# KiCad board LV08.kicad_pcb (continued)
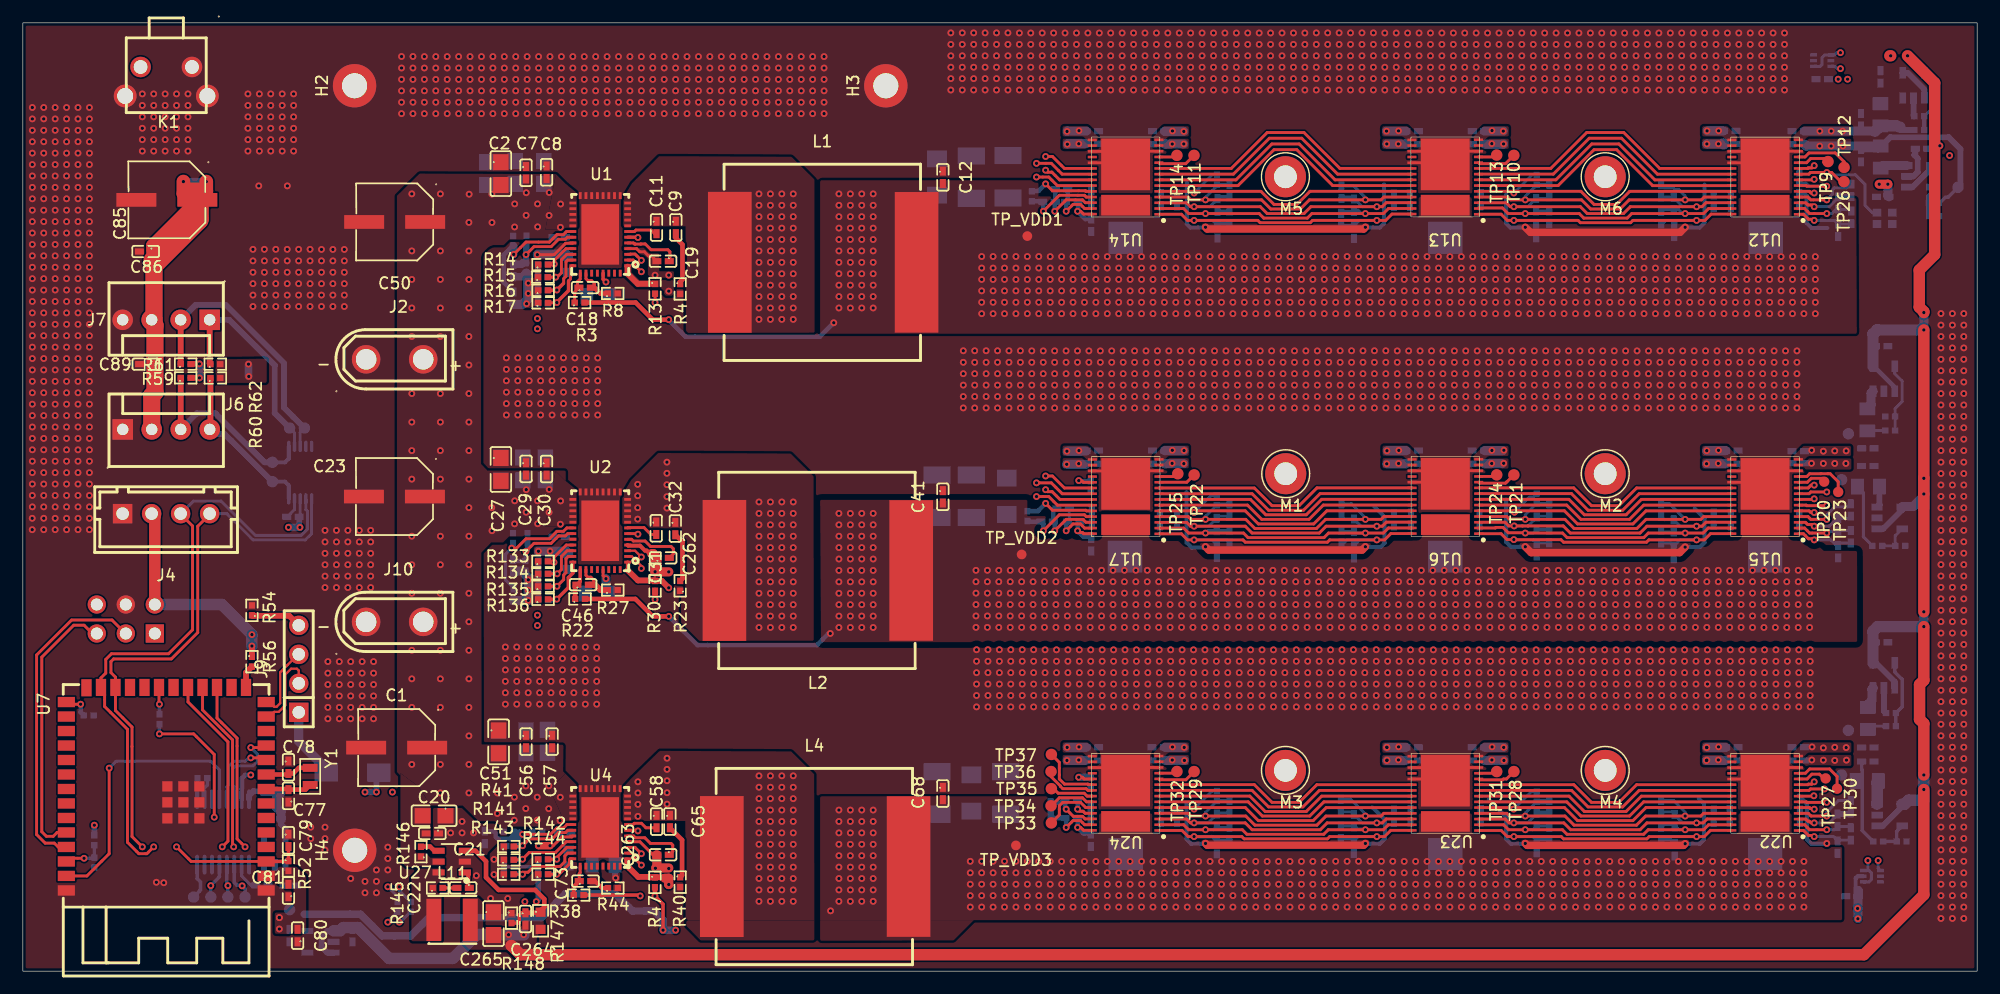
[diagram p0: board, top side]
## Library data of the parts
0V8 0V8_2 0V8_3 1V8 1V8_2 1V8_3 H2-H4 M1-M4 TP1-TP14 TP20-TP37 TP_1V8_IO1 TP_3V3 TP_5V0 TP_12V1 TP_VDD1-TP_VDD3 = -: Description: test point; ki_fp_filters: Pin* Test*
C1 C23 C50 C85 = -: Datasheet: https://img.jlc.com/pdf/applyPasteComponent/2021-05-29/507681S/b3196547ade04cd291a1b09ea1ee2ece/C7199_22UF.PDF; LCSC: C3342
C2-C5 C20 C24-C27 C51-C54 C265 = -: Datasheet: https://item.szlcsc.com/373011.html; LCSC: C45783
C6 C10 C19 C28 C33 C48 C49 C56 C66 C74 C75 C79 C91-C162 C173-C175 C199-C201 C208-C243 C249-C251 C262 C263 = -: Datasheet: https://item.szlcsc.com/15869.html; LCSC: C52923
C7 C29 C55 = -: Datasheet: https://item.szlcsc.com/15869.html; LCSC: C1538
C8 C12 C30 C41 C57 C68 = -: Datasheet: https://item.szlcsc.com/15869.html; LCSC: C1531
C9 C32 C65 = -: Datasheet: https://item.szlcsc.com/15869.html; LCSC: C1523
C11 C17 C21 C22 C31 C40 C58 C67 C80 C82-C84 C86 C87 C89 C90 C163 C169-C171 C196-C198 C246-C248 = -: Datasheet: https://item.szlcsc.com/15869.html; LCSC: C307331
C13 C42 C69 = -: Datasheet: https://item.szlcsc.com/89171.html; LCSC: C96123
C14 C15 C43 C44 C70 C71 = -: Datasheet: https://img.jlc.com/pdf/applyPasteComponent/2021-05-29/507681S/b3196547ade04cd291a1b09ea1ee2ece/C7199_22UF.PDF; LCSC: C7196
C16 C45 C72 = -: Datasheet: https://item.szlcsc.com/362304.html; LCSC: C19666
C18 C46 C73 = -: Datasheet: https://item.szlcsc.com/15869.html; LCSC: C1546
C77 C78 = -: Datasheet: https://item.szlcsc.com/15869.html; LCSC: C1576
C81 C164-C167 C177-C179 C192-C195 C202-C204 C244 C245 C252-C254 C258 C259 = -: Datasheet: https://item.szlcsc.com/15869.html; LCSC: C15525
C180-C182 C205-C207 C255-C257 = -: Datasheet: https://atta.szlcsc.com/upload/public/pdf/source/20210427/369E0E2B82AAAC68C140254C20AD9476.pdf; LCSC: C7226
C264 = -: Datasheet: https://item.szlcsc.com/15869.html; LCSC: C1562
D1 = -: Datasheet: https://atta.szlcsc.com/upload/public/pdf/source/20180925/C305250_744E97387176461AC9CE2FE60F97B97E.pdf; LCSC: C7420364
J2 J10 = -: Datasheet: https://item.szlcsc.com/423831.html; LCSC: C428721
J3 = -: Datasheet: https://item.szlcsc.com/225801.html; LCSC: C225518
J4 = -: Datasheet: https://atta.szlcsc.com/upload/public/pdf/source/20180319/1BDBE0A1D3E09F819A9E3600059072E6.pdf; LCSC: C161871
J6 J7 = -: Datasheet: https://item.szlcsc.com/115362.html; LCSC: C114123
J9 = -: Datasheet: https://item.szlcsc.com/502959.html; LCSC: C5346656
K1 = -: Datasheet: https://item.szlcsc.com/138963.html; LCSC: C127680
L1 L2 L4 = -: Datasheet: https://item.szlcsc.com/403952.html; Description: Inductor; LCSC: C5656947; Mouser P/N: 70-IHLP6767DZERR68M0; ki_fp_filters: Choke_* *Coil* Inductor_* L_*
L5-L10 = -: Datasheet: https://item.szlcsc.com/344132.html; LCSC: C1043
L11 = -: Datasheet: https://atta.szlcsc.com/upload/public/pdf/source/20180820/C222882_47EFAB32F5592A73451FD917F7BB3162.pdf; LCSC: C15269
M5 M6 = -: Description: test point
R1 R20 R36 = -: Datasheet: https://item.szlcsc.com/323315.html; LCSC: C25077
R2 R21 R37 = -: Datasheet: https://item.szlcsc.com/323315.html; LCSC: C25853
R3 R5 R22 R24 R38 R41 = -: Datasheet: https://item.szlcsc.com/323315.html; LCSC: C226849
R4 R23 R40 R145 = -: Datasheet: https://item.szlcsc.com/323315.html; LCSC: C25086
R6 R9 R129 R131 R137 R139 = -: Description: Resistor; ki_fp_filters: R_*
R7 R130 R138 = -: Datasheet: https://item.szlcsc.com/323315.html; LCSC: C26981
R8 R27 R44 = -: Datasheet: https://item.szlcsc.com/323315.html; LCSC: C25120
R10 R17 R132 R136 R140 R144 = -: Datasheet: https://item.szlcsc.com/323315.html; LCSC: C95598
R11 R12 R14 R16 R18 R56 R133 R135 R141 R143 R149 = -: Datasheet: https://item.szlcsc.com/323315.html; LCSC: C17168
R13 R30 R47 R52 R60 R62 R69 = -: Datasheet: https://item.szlcsc.com/323315.html; LCSC: C25744
R15 R134 R142 = -: Datasheet: https://item.szlcsc.com/323315.html; LCSC: C11463
R19 R98 R99 = -: Datasheet: https://item.szlcsc.com/142685.html; LCSC: C17477
R54 = -: Datasheet: https://item.szlcsc.com/323315.html; LCSC: C25905
R55 = -: Datasheet: https://item.szlcsc.com/323315.html; LCSC: C11520
R57 = -: Datasheet: https://item.szlcsc.com/323315.html; LCSC: C43473
R58 = -: Datasheet: https://item.szlcsc.com/323315.html; LCSC: C25765
R59 R61 = -: Datasheet: https://item.szlcsc.com/323315.html; LCSC: C25908
R76-R78 R91 R92 R100 R117 R118 = -: Datasheet: https://item.szlcsc.com/323315.html; LCSC: C4109
R94 R101 R121 = -: Datasheet: https://item.szlcsc.com/323315.html; LCSC: C25764
R95 R96 R102 R103 R122 R123 R146 = -: Datasheet: https://item.szlcsc.com/323315.html; LCSC: C25741
R97 R104 R124 = -: Datasheet: https://item.szlcsc.com/323315.html; LCSC: C25774
R119 R150 = -: Datasheet: https://item.szlcsc.com/323315.html; LCSC: C25105
R147 = -: Datasheet: https://www.mouser.in/datasheet/2/447/PYu_RT_1_to_0_01_RoHS_L_11-1669912.pdf; LCSC: C12447
R148 = -: Datasheet: https://item.szlcsc.com/323315.html; LCSC: C11628
U1 U2 U4 = -: Datasheet: https://item.szlcsc.com/520847.html?ref=editor&logined=true; LCSC: C507280
U3 = -: Datasheet: https://item.szlcsc.com/233411.html; LCSC: C841192
U6 = -: Datasheet: https://atta.szlcsc.com/upload/public/pdf/source/20210531/C603837_95C63835E17AABC553E6F15B46C5DC54.pdf; LCSC: C3040643
U7 = -: Datasheet: https://www.mouser.cn/datasheet/2/891/Espressif_ESP32_S3_WROOM_1_1U_Preliminary-2530171.pdf; LCSC: C2913202
U8 = -: Datasheet: https://item.szlcsc.com/6534.html; LCSC: C129363
U9 = -: Datasheet: https://item.szlcsc.com/703621.html; LCSC: C626969
U10 U11 = -: Datasheet: https://item.szlcsc.com/188416.html; LCSC: C3663690
U18-U21 U25 U26 = -: Datasheet: https://atta.szlcsc.com/upload/public/pdf/source/20201015/C882654_F49EC15FD6A974BF40D8ED13350A683B.pdf; LCSC: C7465505
U27 = -: Datasheet: https://item.szlcsc.com/169042.html; LCSC: C478947
Y1 = -: Datasheet: https://item.szlcsc.com/144036.html; LCSC: C97602
Y2 = -: Datasheet: https://atta.szlcsc.com/upload/public/pdf/source/20201204/C880116_7920B5BB95467E70B8D5FE37B1198563.pdf; LCSC: C41399445

## Footprints (pads in the part's own frame, mm; a bottom-side part is the same pattern mirrored in y, then rotated)
BM1366
  rect 0.792x0.221 smd: 1(-2.916,3.263) 2(-2.916,2.761) 3(-2.916,2.259) 4(-2.916,1.757) 5(-2.916,1.255) 6(-2.916,0.753) 7(-2.916,0.251) 8(-2.916,-0.251) 9(-2.916,-0.753) 10(-2.916,-1.255) 11(-2.916,-1.757) 12(-2.916,-2.259) 13(-2.916,-2.761) 14(-2.916,-3.263) 15(2.916,-3.25) 16(2.916,-2.75) 17(2.916,-2.25) 18(2.916,-1.75) 19(2.916,-1.25) 20(2.916,-0.753) 21(2.916,-0.25) 22(2.916,0.251) 23(2.916,0.753) 24(2.916,1.255) 25(2.916,1.757) 26(2.916,2.25) 27(2.916,2.761) 28(2.916,3.25)
  rect 4.277x1.81 smd: 29(0,2.468)
  rect 4.277x4.53 smd: 30(0,-1.108)
C0402
  rect 0.79x0.54 smd: 1(-0.545,0) 2(0.545,0)
C0603
  rect 0.8x0.9 smd: 1(-0.7,0) 2(0.7,0)
C0805
  rect 1.41x1.35 smd: 1(-1,0) 2(1,0)
C1206
  rect 1.485x1.728 smd: 1(-1.593,0) 2(1.593,0)
CAP-SMD_BD6.3-L6.6-W6.6-FD
  rect 3.5x1.2 smd: 1(-2.67,0) 2(2.67,0)
CASE-B_3528
  rect 1.506x2.376 smd: 1(-1.861,0) 2(1.861,0)
CASE-D_7343
  rect 2.799x3.01 smd: 1(3,0) 2(-3,0)
CONN-TH_22112042
  rect 1.8x1.8 hole 1: 1(-3.81,0)
  round 1.8 hole 1: 2(-1.27,0) 3(1.27,0) 4(3.81,0)
CONN-TH_B4B-XH-AM-LF-SN
  rect 1.7x1.7 hole 1.1: 1(3.81,0)
  round 1.7 hole 1.1: 2(1.27,0) 3(-1.27,0) 4(-3.81,0)
CONN-TH_XT30UPB-M
  round 2.5 hole 1.8: 1(-2.5,0) 2(2.5,0)
CRYSTAL-SMD_4P-L2.0-W1.6-BL-1
  rect 0.75x0.7 smd: 1(-0.675,-0.5) 2(0.675,-0.5) 3(0.675,0.5) 4(-0.675,0.5)
HDR-TH_4P-P2.54-V-M
  rect 1.7x1.7 hole 1.1: 1(-3.81,0)
  round 1.7 hole 1.1: 2(-1.27,0) 3(1.27,0) 4(3.81,0)
HDR-TH_6P-P2.54-V-R2-C3-S2.54_A2541WV-2X3P
  rect 1.6x1.6 hole 1.05: 1(-2.54,-1.27)
  round 1.6 hole 1.05: 2(-2.54,1.27) 3(0,-1.27) 4(0,1.27) 5(2.54,-1.27) 6(2.54,1.27)
IND-SMD_L4.0-W4.0_SMNR4012
  rect 1.3x3.7 smd: 1(-1.6,0) 2(1.6,0)
IND-SMD_L17.2-W17.2
  rect 3.825x12.35 smd: 1(-8.178,0)
  rect 3.825x12.32 smd: 2(8.178,0)
L0805
  rect 1.133x1.377 smd: 1(-0.966,0) 2(0.966,0)
LQFN-40_L7.0-W5.0-P0.50-BL-EP
  rect 0.25x0.6 smd: 1(-2.75,-2.4) 2(-2.25,-2.4) 3(-1.75,-2.4) 4(-1.25,-2.4) 5(-0.75,-2.4) 6(-0.25,-2.4) 7(0.25,-2.4) 8(0.75,-2.4) 9(1.25,-2.4) 10(1.75,-2.4) 11(2.25,-2.4) 12(2.75,-2.4) 21(2.75,2.4) 22(2.25,2.4) 23(1.75,2.4) 24(1.25,2.4) 25(0.75,2.4) 26(0.25,2.4) 27(-0.25,2.4) 28(-0.75,2.4) 29(-1.25,2.4) 30(-1.75,2.4) 31(-2.25,2.4) 32(-2.75,2.4)
  rect 0.6x0.25 smd: 13(3.4,-1.75) 14(3.4,-1.25) 15(3.4,-0.75) 16(3.4,-0.25) 17(3.4,0.25) 18(3.4,0.75) 19(3.4,1.25) 20(3.4,1.75) 33(-3.4,1.75) 34(-3.4,1.25) 35(-3.4,0.75) 36(-3.4,0.25) 37(-3.4,-0.25) 38(-3.4,-0.75) 39(-3.4,-1.25) 40(-3.4,-1.75)
  rect 5.3x3.3 smd: 41(0,0)
MountingHole_2.2mm_M2_DIN965_Pad
  round 3.8 hole 2.2: 1(0,0)
MSOP-10_L3.0-W3.0-P0.50-LS4.9-BL
  oval 0.3x1 smd: 1(-1,-2.3) 2(-0.5,-2.3) 3(0,-2.3) 4(0.5,-2.3) 5(1,-2.3) 6(1,2.3) 7(0.5,2.3) 8(0,2.3) 9(-0.5,2.3) 10(-1,2.3)
OSC-SMD_L2.0-W1.2
  rect 0.7x1.3 smd: 1(-0.75,0) 2(0.75,0)
R0402
  rect 0.566x0.54 smd: 1(-0.433,0) 2(0.433,0)
R0603
  rect 0.806x0.864 smd: 1(-0.753,0) 2(0.753,0)
R0805
  rect 1.133x1.377 smd: 1(-1,0) 2(1,0)
SMA_L4.3-W2.6-LS5.0-FD
  rect 2.046x1.62 smd: 1(-2.304,-0.009) 2(2.304,0.009)
SOT-23-5_L2.9-W1.6-P0.95-LS2.8-BR
  rect 1x0.6 smd: 1(1.1,-0.95) 2(1.1,0) 3(1.1,0.95) 4(-1.1,0.95) 5(-1.1,-0.95)
SOT-23-5_L3.0-W1.5-P0.95-LS2.8-BL
  rect 0.532x1.045 smd: 1(-0.95,-1.25) 2(0,-1.25) 3(0.95,-1.25) 4(0.95,1.25) 5(-0.95,1.25)
SOT-23-6_L2.9-W1.6-P0.95-LS2.8-BL
  rect 0.532x1.072 smd: 1(-0.95,-1.149) 2(0,-1.149) 3(0.95,-1.149) 4(0.95,1.149) 5(0,1.149) 6(-0.95,1.149)
SOT-563_L1.6-W1.2-P0.50-LS1.6-BR
  rect 0.6x0.3 smd: 1(0.75,-0.5) 2(0.75,0) 3(0.75,0.5) 4(-0.75,0.5) 5(-0.75,0) 6(-0.75,-0.5)
SW-TH_K2-1102AQ-C4CW-01
  round 1.8 hole 1.2: 1(-2.25,-1.27) 2(2.25,-1.27)
  round 2 hole 1.4: 3(3.599,1.27) 4(-3.599,1.27)
TestPoint_Loop_D3.80mm_Drill2.0mm
  round 3.6 hole 2: 1(0,0)
TestPoint_Pad_D1.0mm
  round 1 smd: 1(0,0)
TestPoint_Pad_D1.0mm#2
  round 0.9 smd: 1(0,0)
TestPoint_Pad_D1.0mm#3
  round 0.85 smd: 1(0,0)
TSOT-23-5_L2.9-W1.6-P0.95-LS2.8-BL
  rect 0.532x1.045 smd: 1(-0.95,-1.148) 2(0,-1.148) 3(0.95,-1.148) 4(0.95,1.148) 5(-0.95,1.148)
TSSOP-16_L5.0-W4.4-P0.65-LS6.4-BL
  oval 0.343x1.731 smd: 1(-2.275,-2.866) 2(-1.625,-2.866) 3(-0.975,-2.866) 4(-0.325,-2.866) 5(0.325,-2.866) 6(0.975,-2.866) 7(1.625,-2.866) 8(2.275,-2.866) 9(2.275,2.866) 10(1.625,2.866) 11(0.975,2.866) 12(0.325,2.866) 13(-0.325,2.866) 14(-0.975,2.866) 15(-1.625,2.866) 16(-2.275,2.866)
WIRELM-SMD_ESP32-S3-WROOM-1
  rect 1.5x0.9 smd: 1(-8.75,8.895) 2(-8.75,7.625) 3(-8.75,6.355) 4(-8.75,5.085) 5(-8.75,3.815) 6(-8.75,2.545) 7(-8.75,1.275) 8(-8.75,0.005) 9(-8.75,-1.265) 10(-8.75,-2.535) 11(-8.75,-3.805) 12(-8.75,-5.075) 13(-8.75,-6.345) 14(-8.75,-7.615) 27(8.75,-7.615) 28(8.75,-6.345) 29(8.75,-5.075) 30(8.75,-3.805) 31(8.75,-2.535) 32(8.75,-1.265) 33(8.75,0.005) 34(8.75,1.275) 35(8.75,2.545) 36(8.75,3.815) 37(8.75,5.085) 38(8.75,6.355) 39(8.75,7.625) 40(8.75,8.895)
  rect 0.9x1.5 smd: 15(-6.985,-8.895) 16(-5.715,-8.895) 17(-4.445,-8.895) 18(-3.175,-8.895) 19(-1.905,-8.895) 20(-0.635,-8.895) 21(0.635,-8.895) 22(1.905,-8.895) 23(3.175,-8.895) 24(4.445,-8.895) 25(5.715,-8.895) 26(6.985,-8.865)
  rect 0.9x0.9 smd: 41(-2.9,2.575) 41(-2.9,1.175) 41(-2.9,-0.225) 41(-1.5,2.575) 41(-1.5,1.175) 41(-1.5,-0.225) 41(-0.1,2.575) 41(-0.1,1.175) 41(-0.1,-0.225)

## Nets
/BM1366_mode1_sheet_1/0V8: 0V8.1 C115.2 C118.2 C119.2 C122.2 C123.2 C126.2 C167.2 L6.2 R96.2 U12.13 U12.16 U13.13 U13.16 U14.13 U14.16
/BM1366_mode1_sheet_1/1V8: 1V8.1 C116.2 C117.2 C120.2 C121.2 C124.2 C125.2 C163.2 C165.2 L5.2 R94.2 U12.14 U12.15 U13.14 U13.15 U14.14 U14.15 Y2.1 Y2.4
/BM1366_mode1_sheet_1/VDD_1: C12.2 C13.2 C14.1 C15.1 C94.2 C95.1 C102.1 C103.1 C110.2 C111.1 C169.1 C170.1 C171.1 C173.2 C174.2 C175.2 C177.2 C178.2 C179.2 C180.1 C181.1 C182.1 L1.2 R3.2 TP_VDD1.1 U12.29 U13.29 U14.29
/BM1366_mode1_sheet_2/0V8_2: 0V8_2.1 C151.2 C154.2 C155.2 C158.2 C159.2 C162.2 C195.2 L8.2 R103.2 U15.13 U15.16 U16.13 U16.16 U17.13 U17.16
/BM1366_mode1_sheet_2/1V8_2: 1V8_2.1 C152.2 C153.2 C156.2 C157.2 C160.2 C161.2 C193.2 L7.2 R101.2 U15.14 U15.15 U16.14 U16.15 U17.14 U17.15
/BM1366_mode1_sheet_2/VDD_2: C41.2 C42.2 C43.1 C44.1 C130.2 C131.1 C138.2 C139.1 C146.2 C147.1 C196.1 C197.1 C198.1 C199.2 C200.2 C201.2 C202.2 C203.2 C204.2 C205.1 C206.1 C207.1 L2.2 R22.2 TP_VDD2.1 U15.29 U16.29 U17.29
/BM1366_mode1_sheet_3/0V8_3: 0V8_3.1 C232.2 C235.2 C236.2 C239.2 C240.2 C243.2 C259.2 L10.2 R123.2 U22.13 U22.16 U23.13 U23.16 U24.13 U24.16
/BM1366_mode1_sheet_3/1V8_3: 1V8_3.1 C233.2 C234.2 C237.2 C238.2 C241.2 C242.2 C245.2 L9.2 R121.2 U22.14 U22.15 U23.14 U23.15 U24.14 U24.15
/BM1366_mode1_sheet_3/VDD_3: C68.2 C69.2 C70.1 C71.1 C211.2 C212.1 C219.2 C220.1 C227.2 C228.1 C246.1 C247.1 C248.1 C249.2 C250.2 C251.2 C252.2 C253.2 C254.2 C255.1 C256.1 C257.1 L4.2 R38.2 R55.2 TP_VDD3.1 U22.29 U23.29 U24.29
/Buck_Converters_TPS546D24ARVFR/AGND0: C10.2 C17.1 R5.1 R14.1 R15.1 R16.1 R17.1 R19.2 U1.37
/Buck_Converters_TPS546D24ARVFR/AGND1: C33.2 C40.1 R24.1 R98.2 R133.1 R134.1 R135.1 R136.1 U2.37
/Buck_Converters_TPS546D24ARVFR/AGND2: C66.2 C67.1 R41.1 R99.2 R141.1 R142.1 R143.1 R144.1 U4.37
/ESP32/VDD_SAMPLE: R55.1 R57.1 U7.38
GND: C1.2 C2.1 C3.1 C4.1 C5.1 C6.1 C7.1 C8.1 C12.1 C13.1 C14.2 C15.2 C16.1 C20.1 C21.1 C23.2 C24.1 C25.1 C26.1 C27.1 C28.1 C29.1 C30.1 C41.1 C42.1 C43.2 C44.2 C45.1 C48.1 C49.1 C50.2 C51.1 C52.1 C53.1 C54.1 C55.1 C56.1 C57.1 C68.1 C69.1 C70.2 C71.2 C72.1 C74.1 C75.1 C77.1 C78.1 C79.1 C80.1 C81.1 C82.2 C83.2 C84.1 C85.2 C86.2 C87.2 C89.2 C90.2 C115.1 C116.1 C117.1 C118.1 C119.1 C120.1 C121.1 C122.1 C123.1 C124.1 C125.1 C126.1 C151.1 C152.1 C153.1 C154.1 C155.1 C156.1 C157.1 C158.1 C159.1 C160.1 C161.1 C162.1 C163.1 C164.1 C165.1 C166.1 C167.1 C169.2 C170.2 C171.2 C173.1 C174.1 C175.1 C177.1 C178.1 C179.1 C180.2 C181.2 C182.2 C192.1 C193.1 C194.1 C195.1 C196.2 C197.2 C198.2 C199.1 C200.1 C201.1 C202.1 C203.1 C204.1 C205.2 C206.2 C207.2 C232.1 C233.1 C234.1 C235.1 C236.1 C237.1 C238.1 C239.1 C240.1 C241.1 C242.1 C243.1 C244.1 C245.1 C246.2 C247.2 C248.2 C249.1 C250.1 C251.1 C252.1 C253.1 C254.1 C255.2 C256.2 C257.2 C258.1 C259.1 C265.1 H2.1 H3.1 H4.1 J2.1 J3.4 J4.1 J6.1 J7.4 J10.1 K1.1 K1.3 K1.4 R4.2 R8.2 R19.1 R23.1 R27.2 R40.2 R44.2 R54.2 R57.2 R58.1 R69.1 R95.1 R97.1 R98.1 R99.1 R102.1 R104.1 R119.2 R122.1 R124.1 R148.1 R149.1 R150.2 U1.13 U1.14 U1.15 U1.16 U1.17 U1.18 U1.19 U1.20 U1.41 U2.13 U2.14 U2.15 U2.16 U2.17 U2.18 U2.19 U2.20 U2.41 U3.2 U4.13 U4.14 U4.15 U4.16 U4.17 U4.18 U4.19 U4.20 U4.41 U6.2 U7.1 U7.40 U7.41 U8.2 U8.7 U8.10 U9.4 U10.2 U11.2 U12.12 U12.17 U12.19 U12.30 U13.12 U13.17 U13.19 U13.30 U14.12 U14.17 U14.19 U14.30 U15.12 U15.17 U15.19 U15.30 U16.12 U16.17 U16.19 U16.30 U17.12 U17.17 U17.30 U18.2 U19.2 U20.2 U21.2 U22.12 U22.17 U22.19 U22.30 U23.12 U23.17 U23.19 U23.30 U24.12 U24.17 U24.30 U25.2 U26.2 U27.2 Y2.2
VCC_1V8_IO: C74.2 C82.1 TP_1V8_IO1.1 U6.5 U8.16
VCC_3V3: C49.2 C75.2 C80.2 C81.2 C83.1 C84.2 C87.1 C90.1 J3.2 J4.2 R13.2 R30.2 R47.2 R52.2 R56.1 R59.2 R61.2 TP_3V3.1 U3.5 U6.1 U6.3 U7.2 U8.1 U8.15 U9.3 U10.5 U11.5
VCC_5V0: C48.2 C164.2 C166.2 C192.2 C194.2 C244.2 C258.2 C264.2 C265.2 D1.2 L11.2 R60.2 R62.2 R147.2 TP_5V0.1 U3.1 U3.3 U18.1 U18.4 U19.1 U19.4 U20.1 U20.4 U21.1 U21.4 U25.1 U25.4 U26.1 U26.4
VCC_12V0: C1.1 C2.2 C3.2 C4.2 C5.2 C6.2 C7.2 C8.2 C20.2 C21.2 C23.1 C24.2 C25.2 C26.2 C27.2 C28.2 C29.2 C30.2 C50.1 C51.2 C52.2 C53.2 C54.2 C55.2 C56.2 C57.2 C85.1 C86.1 C89.1 J2.2 J6.2 J7.3 J10.2 R1.2 R2.2 R20.2 R21.2 R36.2 R37.2 R146.1 TP_12V1.1 U1.21 U1.22 U1.23 U1.24 U1.25 U2.21 U2.22 U2.23 U2.24 U2.25 U4.21 U4.22 U4.23 U4.24 U4.25 U27.5
/BM1366_mode1_sheet_1/BI: R69.2 U12.6
/BM1366_mode1_sheet_1/BO1: U14.23 U15.6
/BM1366_mode1_sheet_1/CI: TP2.1 U8.4 U12.9
/BM1366_mode1_sheet_1/CLKI: TP26.1 U12.8 Y2.3
/BM1366_mode1_sheet_1/CLKO1: U14.21 U15.8
/BM1366_mode1_sheet_1/CO1: U14.20 U15.9
/BM1366_mode1_sheet_1/NRSTI: TP1.1 U8.5 U12.5
/BM1366_mode1_sheet_1/NRSTO1: R78.2 U14.24 U15.5
/BM1366_mode1_sheet_1/RI1: U14.22 U15.7
/BM1366_mode1_sheet_1/RO: TP3.1 U8.3 U12.7
/BM1366_mode1_sheet_2/BO2: U17.23 U22.6
/BM1366_mode1_sheet_2/CLKO2: U17.21 U22.8
/BM1366_mode1_sheet_2/CO2: U17.20 U22.9
/BM1366_mode1_sheet_2/NRSTO2: R100.2 U17.24 U22.5
/BM1366_mode1_sheet_2/RI2: U17.22 U22.7
/BM1366_mode1_sheet_3/BO3: TP34.1 U24.23
/BM1366_mode1_sheet_3/CLKO3: TP36.1 U24.21
/BM1366_mode1_sheet_3/CO3: TP37.1 U24.20
/BM1366_mode1_sheet_3/NRSTO3: TP33.1 U24.24
/BM1366_mode1_sheet_3/RI3: TP35.1 U24.22
/Buck_Converters_TPS546D24ARVFR/ALRT: R18.2 U7.21
/Buck_Converters_TPS546D24ARVFR/PGOOD_1: R13.1 U1.1 U7.17
/Buck_Converters_TPS546D24ARVFR/PGOOD_2: R30.1 U2.1 U7.18
/Buck_Converters_TPS546D24ARVFR/PGOOD_3: R47.1 U4.1 U7.19
/Buck_Converters_TPS546D24ARVFR/PMB_ALRT: R18.1 U1.6 U2.6 U4.6
/Buck_Converters_TPS546D24ARVFR/PMB_SCL: R12.1 U1.3 U2.3 U4.3
/Buck_Converters_TPS546D24ARVFR/PMB_SDA: R11.1 U1.2 U2.2 U4.2
/Buck_Converters_TPS546D24ARVFR/SCL: J4.3 R12.2 U7.25 U9.2 U10.1 U11.1 U11.4
/Buck_Converters_TPS546D24ARVFR/SDA: J4.4 R11.2 U7.24 U9.1 U10.4 U10.6 U11.6
/ESP32/ASIC_RST: U7.39 U8.12
/ESP32/D+: J9.3 U7.14
/ESP32/D-: J9.2 U7.13
/ESP32/EN: C79.2 J3.1 K1.2 R52.1 U7.3
/ESP32/ESP32_RX: U7.11 U8.14
/ESP32/ESP32_TX: U7.10 U8.13
/ESP32/IO0: J3.6 R149.2 U7.27
/ESP32/P_RX: J3.5 U7.36
/ESP32/P_TX: J3.3 U7.37
/ESP32/XIN32: C77.2 U7.8 Y1.1
/ESP32/XOUT32: C78.2 U7.9 Y1.2
/Sensors_Modules/FAN1_PWM: J6.4 R60.1 TP5.1 U9.5
/Sensors_Modules/FAN1_TACH: J6.3 R59.1 TP6.1 U9.6
/Sensors_Modules/FAN2_PWM: J7.1 R62.1 TP7.1 U9.7
/Sensors_Modules/FAN2_TACH: J7.2 R61.1 TP8.1 U9.8
Net-(C9-Pad2): C9.2 R4.1
Net-(C11-Pad1): C9.1 C11.1 L1.1 U1.8 U1.9 U1.10 U1.11 U1.12
Net-(C22-Pad2): C22.2 R145.2
Net-(C31-Pad1): C31.1 C32.1 L2.1 U2.8 U2.9 U2.10 U2.11 U2.12
Net-(C32-Pad2): C32.2 R23.2
Net-(C58-Pad1): C58.1 C65.1 L4.1 U4.8 U4.9 U4.10 U4.11 U4.12
Net-(C65-Pad2): C65.2 R40.1
Net-(C91-Pad1): C91.1 U12.4
Net-(C98-Pad2): C98.2 C99.1 R76.1 U12.25 U13.4
Net-(C106-Pad2): C106.2 C107.1 R77.1 U13.25 U14.4
Net-(C114-Pad2): C114.2 R78.1 U14.25
Net-(C127-Pad1): C127.1 U15.4
Net-(C134-Pad2): C134.2 C135.1 R91.1 U15.25 U16.4
Net-(C142-Pad2): C142.2 C143.1 R92.1 U16.25 U17.4
Net-(C150-Pad2): C150.2 R100.1 U17.25
Net-(C208-Pad1): C208.1 U22.4
Net-(C215-Pad2): C215.2 C216.1 R117.1 U22.25 U23.4
Net-(C223-Pad2): C223.2 C224.1 R118.1 U23.25 U24.4
Net-(C231-Pad2): C231.2 U24.25
Net-(D1-A): D1.1 J9.1
Net-(J9-Pad4): J9.4 R54.1
Net-(U1-ADRSEL): R9.2 R16.2 U1.31
Net-(U1-AVIN): C10.1 R1.1 U1.26
Net-(U1-BOOT): C11.2 U1.7
Net-(U1-BP1V5): C19.2 R6.1 R7.1 R9.1 R10.1 U1.4
Net-(U1-DRTN): C19.1 U1.5
Net-(U1-EN/UVLO): C17.2 R2.1 R5.2 U1.27
Net-(U1-GOSNS/SLAVE): C18.2 R8.1 U1.34
Net-(U1-MSEL1): R10.2 R17.2 U1.32
Net-(U1-MSEL2): R6.2 R14.2 U1.29
Net-(U1-VDD5): C16.2 U1.28
Net-(U1-VOSNS): C18.1 R3.1 U1.33
Net-(U1-VSEL): R7.2 R15.2 U1.30
Net-(U2-ADRSEL): R131.2 R135.2 U2.31
Net-(U2-AVIN): C33.1 R20.1 U2.26
Net-(U2-BOOT): C31.2 U2.7
Net-(U2-BP1V5): C262.1 R129.1 R130.1 R131.1 R132.1 U2.4
Net-(U2-DRTN): C262.2 U2.5
Net-(U2-EN/UVLO): C40.2 R21.1 R24.2 U2.27
Net-(U2-GOSNS/SLAVE): C46.2 R27.1 U2.34
Net-(U2-MSEL1): R132.2 R136.2 U2.32
Net-(U2-MSEL2): R129.2 R133.2 U2.29
Net-(U2-VDD5): C45.2 U2.28
Net-(U2-VOSNS): C46.1 R22.1 U2.33
Net-(U2-VSEL): R130.2 R134.2 U2.30
Net-(U4-ADRSEL): R139.2 R143.2 U4.31
Net-(U4-AVIN): C66.1 R36.1 U4.26
Net-(U4-BOOT): C58.2 U4.7
Net-(U4-BP1V5): C263.2 R137.1 R138.1 R139.1 R140.1 U4.4
Net-(U4-DRTN): C263.1 U4.5
Net-(U4-EN/UVLO): C67.2 R37.1 R41.2 U4.27
Net-(U4-GOSNS/SLAVE): C73.2 R44.1 U4.34
Net-(U4-MSEL1): R140.2 R144.2 U4.32
Net-(U4-MSEL2): R137.2 R141.2 U4.29
Net-(U4-VDD5): C72.2 U4.28
Net-(U4-VOSNS): C73.1 R38.1 U4.33
Net-(U4-VSEL): R138.2 R142.2 U4.30
Net-(U7-IO3): R56.2 U7.15
Net-(U8-DIR4): TP4.1 U8.8
Net-(U8-OE#): R58.2 U8.9
Net-(U12-ADDR0): TP9.1 U12.10
Net-(U12-ADDR1): TP12.1 U12.11
Net-(U12-BO): U12.23 U13.6
Net-(U12-CLKO): U12.21 U13.8
Net-(U12-CO): U12.20 U13.9
Net-(U12-NRSTO): R76.2 U12.24 U13.5
Net-(U12-RI): U12.22 U13.7
Net-(U12-VDD1_0): C93.2 C94.1 U12.1
Net-(U12-VDD1_1): C95.2 C96.1 C101.2 C102.2 U12.28 U13.1
Net-(U12-VDD2_0): C92.2 C93.1 U12.2
Net-(U12-VDD2_1): C96.2 C97.1 C100.2 C101.1 U12.27 U13.2
Net-(U12-VDD3_0): C91.2 C92.1 U12.3
Net-(U12-VDD3_1): C97.2 C98.1 C99.2 C100.1 U12.26 U13.3
Net-(U13-ADDR0): TP10.1 U13.10
Net-(U13-ADDR1): TP13.1 U13.11
Net-(U13-BO): U13.23 U14.6
Net-(U13-CLKO): U13.21 U14.8
Net-(U13-CO): U13.20 U14.9
Net-(U13-NRSTO): R77.2 U13.24 U14.5
Net-(U13-RI): U13.22 U14.7
Net-(U13-VDD1_1): C103.2 C104.1 C109.2 C110.1 U13.28 U14.1
Net-(U13-VDD2_1): C104.2 C105.1 C108.2 C109.1 U13.27 U14.2
Net-(U13-VDD3_1): C105.2 C106.1 C107.2 C108.1 U13.26 U14.3
Net-(U14-ADDR0): TP11.1 U14.10
Net-(U14-ADDR1): TP14.1 U14.11
Net-(U14-VDD1_1): C111.2 C112.1 U14.28
Net-(U14-VDD2_1): C112.2 C113.1 U14.27
Net-(U14-VDD3_1): C113.2 C114.1 U14.26
Net-(U15-ADDR0): TP20.1 U15.10
Net-(U15-ADDR1): TP23.1 U15.11
Net-(U15-BO): U15.23 U16.6
Net-(U15-CLKO): U15.21 U16.8
Net-(U15-CO): U15.20 U16.9
Net-(U15-NRSTO): R91.2 U15.24 U16.5
Net-(U15-RI): U15.22 U16.7
Net-(U15-VDD1_0): C129.2 C130.1 U15.1
Net-(U15-VDD1_1): C131.2 C132.1 C137.2 C138.1 U15.28 U16.1
Net-(U15-VDD2_0): C128.2 C129.1 U15.2
Net-(U15-VDD2_1): C132.2 C133.1 C136.2 C137.1 U15.27 U16.2
Net-(U15-VDD3_0): C127.2 C128.1 U15.3
Net-(U15-VDD3_1): C133.2 C134.1 C135.2 C136.1 U15.26 U16.3
Net-(U16-ADDR0): TP21.1 U16.10
Net-(U16-ADDR1): TP24.1 U16.11
Net-(U16-BO): U16.23 U17.6
Net-(U16-CLKO): U16.21 U17.8
Net-(U16-CO): U16.20 U17.9
Net-(U16-NRSTO): R92.2 U16.24 U17.5
Net-(U16-RI): U16.22 U17.7
Net-(U16-VDD1_1): C139.2 C140.1 C145.2 C146.1 U16.28 U17.1
Net-(U16-VDD2_1): C140.2 C141.1 C144.2 C145.1 U16.27 U17.2
Net-(U16-VDD3_1): C141.2 C142.1 C143.2 C144.1 U16.26 U17.3
Net-(U17-ADDR0): TP22.1 U17.10
Net-(U17-ADDR1): TP25.1 U17.11
Net-(U17-INV_CLKO): R150.1 U17.19
Net-(U17-VDD1_1): C147.2 C148.1 U17.28
Net-(U17-VDD2_1): C148.2 C149.1 U17.27
Net-(U17-VDD3_1): C149.2 C150.1 U17.26
Net-(U18-FB): R94.1 R95.2 U18.5
Net-(U18-SW): L5.1 U18.3
Net-(U19-FB): R96.1 R97.2 U19.5
Net-(U19-SW): L6.1 U19.3
Net-(U20-FB): R101.1 R102.2 U20.5
Net-(U20-SW): L7.1 U20.3
Net-(U21-FB): R103.1 R104.2 U21.5
Net-(U21-SW): L8.1 U21.3
Net-(U22-ADDR0): TP27.1 U22.10
Net-(U22-ADDR1): TP30.1 U22.11
Net-(U22-BO): U22.23 U23.6
Net-(U22-CLKO): U22.21 U23.8
Net-(U22-CO): U22.20 U23.9
Net-(U22-NRSTO): R117.2 U22.24 U23.5
Net-(U22-RI): U22.22 U23.7
Net-(U22-VDD1_0): C210.2 C211.1 U22.1
Net-(U22-VDD1_1): C212.2 C213.1 C218.2 C219.1 U22.28 U23.1
Net-(U22-VDD2_0): C209.2 C210.1 U22.2
Net-(U22-VDD2_1): C213.2 C214.1 C217.2 C218.1 U22.27 U23.2
Net-(U22-VDD3_0): C208.2 C209.1 U22.3
Net-(U22-VDD3_1): C214.2 C215.1 C216.2 C217.1 U22.26 U23.3
Net-(U23-ADDR0): TP28.1 U23.10
Net-(U23-ADDR1): TP31.1 U23.11
Net-(U23-BO): U23.23 U24.6
Net-(U23-CLKO): U23.21 U24.8
Net-(U23-CO): U23.20 U24.9
Net-(U23-NRSTO): R118.2 U23.24 U24.5
Net-(U23-RI): U23.22 U24.7
Net-(U23-VDD1_1): C220.2 C221.1 C226.2 C227.1 U23.28 U24.1
Net-(U23-VDD2_1): C221.2 C222.1 C225.2 C226.1 U23.27 U24.2
Net-(U23-VDD3_1): C222.2 C223.1 C224.2 C225.1 U23.26 U24.3
Net-(U24-ADDR0): TP29.1 U24.10
Net-(U24-ADDR1): TP32.1 U24.11
Net-(U24-INV_CLKO): R119.1 U24.19
Net-(U24-VDD1_1): C228.2 C229.1 U24.28
Net-(U24-VDD2_1): C229.2 C230.1 U24.27
Net-(U24-VDD3_1): C230.2 C231.1 U24.26
Net-(U25-FB): R121.1 R122.2 U25.5
Net-(U25-SW): L9.1 U25.3
Net-(U26-FB): R123.1 R124.2 U26.5
Net-(U26-SW): L10.1 U26.3
Net-(U27-BS): C22.1 U27.1
Net-(U27-EN): R146.2 U27.4
Net-(U27-FB): C264.1 R147.1 R148.2 U27.3
Net-(U27-LX): L11.1 R145.1 U27.6

Pads without a net: M1 1; M2 1; M3 1; M4 1; M5 1; M6 1; U1 35 36 38 39 40; U2 35 36 38 39 40; U3 4; U4 35 36 38 39 40; U6 4; U7 4 5 6 7 12 16 20 22 23 26 28 29 30 31 32 33 34 35; U8 6 11; U9 9 10; U10 3; U11 3; U12 18; U13 18; U14 18; U15 18; U16 18; U17 18; U22 18; U23 18; U24 18

## Via types
v1: diameter 0.6, hole 0.3, Top to Bottom, 4228 vias

## Routing (per net, layer and track width the routed paths; a pad name or vN(x,y) marks a point on that pad's centre or on a via; arc(x,y) is an arc through that point)
/BM1366_mode1_sheet_1/0V8: length 30.2
  Bottom w0.3: 0V8.1 168.58,67.82 168.36,67.82 167.86,67.32 R96.2
  Bottom w0.508: 0V8.1 169.67,68.91 169.67,72.05 168.63,73.09 163.53,73.09 162.46,72.02 C167.2
  Bottom w0.8: C115.2 v1(147.46,72.5) ; C126.2 91.51,72.52 v1(91.46,72.47) ; C119.2 129.64,72.47 v1(129.66,72.5) ; L6.2 156.16,72.31 C118.2 ; C123.2 100.03,72.5 v1(101.66,72.5) ; v1(119.44,72.5) 121.09,72.5 C122.2
  vias: v1(92.46,72.51) v1(100.65,72.49) v1(120.44,72.5) v1(128.63,72.52) v1(148.47,72.5) v1(157.34,72.31) v1(158.34,72.31) v1(159.38,72.31)
/BM1366_mode1_sheet_1/1V8: length 29.7
  Top w0.8: v1(163.31,68.97) 163.31,68.97 v1(162.55,68.97)
  In4.Cu w0.8: 163.36,68.97 v1(163.31,68.97) 162.14,68.97 161.09,70.02 161.09,72.77 160.28,73.57
  In4.Cu w1: 156.69,73.57 160.28,73.57
  Bottom w0.508: R94.2 164.44,73.72 164.36,73.8
  Bottom w0.8: C125.2 91.46,73.62 v1(91.44,73.59) ; v1(119.41,73.62) C121.2 ; 163.31,68.9 163.31,67.96 C163.2 ; C120.2 v1(129.64,73.62) ; C116.2 v1(147.48,73.64) ; v1(101.66,73.59) 100.03,73.59 C124.2 ; C117.2 162.19,73.62
  Bottom w1: 162.19,73.62 L5.2 164.07,74.09
  vias: v1(92.48,73.66) v1(100.67,73.63) v1(120.46,73.64) v1(128.65,73.66) v1(148.49,73.65) v1(157.35,73.62) v1(158.35,73.62) v1(159.35,73.62)
/BM1366_mode1_sheet_1/VDD_1: length 47.6
  Top w0.35: v1(56.56,57.1) 56.56,57.08
  Top w0.4: R3.2 51.23,58.59 51.24,58.6 53.66,58.6 55.16,57.1 v1(56.56,57.1)
  Top w0.65: v1(131.56,65.2) 132.01,64.75 145.11,64.75 v1(145.56,65.2)
  Bottom w0.35: 129.89,68.1 129.89,65.54 130.25,65.17 131.53,65.17 v1(131.56,65.2) ; 147.26,68.94 147.26,65.61 146.82,65.17 145.59,65.17 v1(145.56,65.2)
  Bottom w0.4: v1(56.56,57.1) 56.56,57.08 58.03,55.61 69.79,55.61 v1(71.01,56.82)
  vias: v1(71.46,68.12) v1(71.46,67.12) v1(71.46,66.12) v1(71.46,65.12) v1(71.46,64.12) v1(71.46,63.12) v1(71.46,62.12) v1(71.46,61.12) v1(71.46,60.12) v1(71.46,59.12) v1(71.46,58.12) v1(72.46,68.12) v1(72.46,67.12) v1(72.46,66.12) v1(72.46,65.12) v1(72.46,64.12) v1(72.46,63.12) v1(72.46,62.12) v1(72.46,61.12) v1(72.46,60.12) v1(72.46,59.12) v1(72.46,58.12) v1(73.46,68.12) v1(73.46,67.12) v1(73.46,66.12) v1(73.46,65.12) v1(73.46,64.12) v1(73.46,63.12) v1(73.46,62.12) v1(73.46,61.12) v1(73.46,60.12) v1(73.46,59.12) v1(73.46,58.12) v1(74.46,68.12) v1(74.46,67.12) v1(74.46,66.12) v1(74.46,65.12) v1(74.46,64.12) v1(74.46,63.12) v1(74.46,62.12) v1(74.46,61.12) v1(74.46,60.12) v1(74.46,59.12) v1(74.46,58.12) v1(83.96,62.63) v1(83.96,61.62) v1(83.96,60.62) v1(83.96,59.62) v1(83.96,58.62) v1(83.96,57.62) v1(84.96,62.63) v1(84.96,61.62) v1(84.96,60.62) v1(84.96,59.62) v1(84.96,58.62) v1(84.96,57.62) v1(85.96,62.63) v1(85.96,61.62) v1(85.96,60.62) v1(85.96,59.62) v1(85.96,58.62) v1(85.96,57.62) v1(86.96,62.63) v1(86.96,61.62) v1(86.96,60.62) v1(86.96,59.62) v1(86.96,58.62) v1(86.96,57.62) v1(87.96,62.63) v1(87.96,61.62) v1(87.96,60.62) v1(87.96,59.62) v1(87.96,58.62) v1(87.96,57.62) v1(88.96,62.63) v1(88.96,61.62) v1(88.96,60.62) v1(88.96,59.62) v1(88.96,58.62) v1(88.96,57.62) v1(89.96,62.62) v1(89.96,61.62) v1(89.96,60.62) v1(89.96,59.62) v1(89.96,58.62) v1(89.96,57.62) v1(90.96,62.62) v1(90.96,61.62) v1(90.96,60.62) v1(90.96,59.62) v1(90.96,58.62) v1(90.96,57.62) v1(91.96,62.62) v1(91.96,61.62) v1(91.96,60.62) v1(91.96,59.62) v1(91.96,58.62) v1(91.96,57.62) v1(92.96,62.62) v1(92.96,61.62) v1(92.96,60.62) v1(92.96,59.62) v1(92.96,58.62) v1(92.96,57.62) v1(93.96,62.62) v1(93.96,61.62) v1(93.96,60.62) v1(93.96,59.62) v1(93.96,58.62) v1(93.96,57.62) v1(94.96,62.62) v1(94.96,61.62) v1(94.96,60.62) v1(94.96,59.62) v1(94.96,58.62) v1(94.96,57.62) v1(95.96,62.62) v1(95.96,61.62) v1(95.96,60.62) v1(95.96,59.62) v1(95.96,58.62) v1(95.96,57.62) v1(96.96,62.62) v1(96.96,61.62) v1(96.96,60.62) v1(96.96,59.62) v1(96.96,58.62) v1(96.96,57.62) v1(97.96,62.62) v1(97.96,61.62) v1(97.96,60.62) v1(97.96,59.62) v1(97.96,58.62) v1(97.96,57.62) v1(98.96,62.62) v1(98.96,61.62) v1(98.96,60.62) v1(98.96,59.62) v1(98.96,58.62) v1(98.96,57.62) v1(99.96,62.62) v1(99.96,61.62) v1(99.96,60.62) v1(99.96,59.62) v1(99.96,58.62) v1(99.96,57.62) v1(100.96,62.62) v1(100.96,61.62) v1(100.96,60.62) v1(100.96,59.62) v1(100.96,58.62) v1(100.96,57.62) v1(101.96,62.62) v1(101.96,61.62) v1(101.96,60.62) v1(101.96,59.62) v1(101.96,58.62) v1(101.96,57.62) v1(102.96,62.62) v1(102.96,61.62) v1(102.96,60.62) v1(102.96,59.62) v1(102.96,58.62) v1(102.96,57.62) v1(103.96,62.62) v1(103.96,61.62) v1(103.96,60.62) v1(103.96,59.62) v1(103.96,58.62) v1(103.96,57.62) v1(104.96,62.62) v1(104.96,61.62) v1(104.96,60.62) v1(104.96,59.62) v1(104.96,58.62) v1(104.96,57.62) v1(105.96,62.62) v1(105.96,61.62) v1(105.96,60.62) v1(105.96,59.62) v1(105.96,58.62) v1(105.96,57.62) v1(106.96,62.62) v1(106.96,61.62) v1(106.96,60.62) v1(106.96,59.62) v1(106.96,58.62) v1(106.96,57.62) v1(107.96,62.62) v1(107.96,61.62) v1(107.96,60.62) v1(107.96,59.62) v1(107.96,58.62) v1(107.96,57.62) v1(108.96,62.62) v1(108.96,61.62) v1(108.96,60.62) v1(108.96,59.62) v1(108.96,58.62) v1(108.96,57.62) v1(109.96,62.62) v1(109.96,61.62) v1(109.96,60.62) v1(109.96,59.62) v1(109.96,58.62) v1(109.96,57.62) v1(110.96,62.62) v1(110.96,61.62) v1(110.96,60.62) v1(110.96,59.62) v1(110.96,58.62) v1(110.96,57.62) v1(111.96,62.62) v1(111.96,61.62) v1(111.96,60.62) v1(111.96,59.62) v1(111.96,58.62) v1(111.96,57.62) v1(112.96,62.62) v1(112.96,61.62) v1(112.96,60.62) v1(112.96,59.62) v1(112.96,58.62) v1(112.96,57.62) v1(113.96,62.62) v1(113.96,61.62) v1(113.96,60.62) v1(113.96,59.62) v1(113.96,58.62) v1(113.96,57.62) v1(114.96,62.62) v1(114.96,61.62) v1(114.96,60.62) v1(114.96,59.62) v1(114.96,58.62) v1(114.96,57.62) v1(115.96,62.63) v1(115.96,61.62) v1(115.96,60.62) v1(115.96,59.62) v1(115.96,58.62) v1(115.96,57.62) v1(116.96,62.63) v1(116.96,61.62) v1(116.96,60.62) v1(116.96,59.62) v1(116.96,58.62) v1(116.96,57.62) v1(117.96,62.63) v1(117.96,61.62) v1(117.96,60.62) v1(117.96,59.62) v1(117.96,58.62) v1(117.96,57.62) v1(118.96,62.63) v1(118.96,61.62) v1(118.96,60.62) v1(118.96,59.62) v1(118.96,58.62) v1(118.96,57.62) v1(119.96,62.63) v1(119.96,61.62) v1(119.96,60.62) v1(119.96,59.62) v1(119.96,58.62) v1(119.96,57.62) v1(120.96,62.63) v1(120.96,61.62) v1(120.96,60.62) v1(120.96,59.62) v1(120.96,58.62) v1(120.96,57.62) v1(121.96,62.62) v1(121.96,61.62) v1(121.96,60.62) v1(121.96,59.62) v1(121.96,58.62) v1(121.96,57.62) v1(122.96,62.62) v1(122.96,61.62) v1(122.96,60.62) v1(122.96,59.62) v1(122.96,58.62) v1(122.96,57.62) v1(123.96,62.62) v1(123.96,61.62) v1(123.96,60.62) v1(123.96,59.62) v1(123.96,58.62) v1(123.96,57.62) v1(124.96,62.62) v1(124.96,61.62) v1(124.96,60.62) v1(124.96,59.62) v1(124.96,58.62) v1(124.96,57.62) v1(125.96,62.62) v1(125.96,61.62) v1(125.96,60.62) v1(125.96,59.62) v1(125.96,58.62) v1(125.96,57.62) v1(126.96,62.62) v1(126.96,61.62) v1(126.96,60.62) v1(126.96,59.62) v1(126.96,58.62) v1(126.96,57.62) v1(127.96,62.62) v1(127.96,61.62) v1(127.96,60.62) v1(127.96,59.62) v1(127.96,58.62) v1(127.96,57.62) v1(128.96,62.62) v1(128.96,61.62) v1(128.96,60.62) v1(128.96,59.62) v1(128.96,58.62) v1(128.96,57.62) v1(129.96,62.62) v1(129.96,61.62) v1(129.96,60.62) v1(129.96,59.62) v1(129.96,58.62) v1(129.96,57.62) v1(130.96,62.62) v1(130.96,61.62) v1(130.96,60.62) v1(130.96,59.62) v1(130.96,58.62) v1(130.96,57.62) v1(131.96,62.62) v1(131.96,61.62) v1(131.96,60.62) v1(131.96,59.62) v1(131.96,58.62) v1(131.96,57.62) v1(132.96,62.62) v1(132.96,61.62) v1(132.96,60.62) v1(132.96,59.62) v1(132.96,58.62) v1(132.96,57.62) v1(133.96,62.62) v1(133.96,61.62) v1(133.96,60.62) v1(133.96,59.62) v1(133.96,58.62) v1(133.96,57.62) v1(134.96,62.62) v1(134.96,61.62) v1(134.96,60.62) v1(134.96,59.62) v1(134.96,58.62) v1(134.96,57.62) v1(135.96,62.62) v1(135.96,61.62) v1(135.96,60.62) v1(135.96,59.62) v1(135.96,58.62) v1(135.96,57.62) v1(136.96,62.62) v1(136.96,61.62) v1(136.96,60.62) v1(136.96,59.62) v1(136.96,58.62) v1(136.96,57.62) v1(137.96,62.62) v1(137.96,61.62) v1(137.96,60.62) v1(137.96,59.62) v1(137.96,58.62) v1(137.96,57.62) v1(138.96,62.62) v1(138.96,61.62) v1(138.96,60.62) v1(138.96,59.62) v1(138.96,58.62) v1(138.96,57.62) v1(139.96,62.62) v1(139.96,61.62) v1(139.96,60.62) v1(139.96,59.62) v1(139.96,58.62) v1(139.96,57.62) v1(140.96,62.62) v1(140.96,61.62) v1(140.96,60.62) v1(140.96,59.62) v1(140.96,58.62) v1(140.96,57.62) v1(141.96,62.62) v1(141.96,61.62) v1(141.96,60.62) v1(141.96,59.62) v1(141.96,58.62) v1(141.96,57.62) v1(142.96,62.62) v1(142.96,61.62) v1(142.96,60.62) v1(142.96,59.62) v1(142.96,58.62) v1(142.96,57.62) v1(143.96,62.62) v1(143.96,61.62) v1(143.96,60.62) v1(143.96,59.62) v1(143.96,58.62) v1(143.96,57.62) v1(144.96,62.62) v1(144.96,61.62) v1(144.96,60.62) v1(144.96,59.62) v1(144.96,58.62) v1(144.96,57.62) v1(145.96,62.62) v1(145.96,61.62) v1(145.96,60.62) v1(145.96,59.62) v1(145.96,58.62) v1(145.96,57.62) v1(146.96,62.62) v1(146.96,61.62) v1(146.96,60.62) v1(146.96,59.62) v1(146.96,58.62) v1(146.96,57.62) v1(147.96,62.62) v1(147.96,61.62) v1(147.96,60.62) v1(147.96,59.62) v1(147.96,58.62) v1(147.96,57.62) v1(148.96,62.62) v1(148.96,61.62) v1(148.96,60.62) v1(148.96,59.62) v1(148.96,58.62) v1(148.96,57.62) v1(149.96,62.62) v1(149.96,61.62) v1(149.96,60.62) v1(149.96,59.62) v1(149.96,58.62) v1(149.96,57.62) v1(150.96,62.62) v1(150.96,61.62) v1(150.96,60.62) v1(150.96,59.62) v1(150.96,58.62) v1(150.96,57.62) v1(151.96,62.62) v1(151.96,61.62) v1(151.96,60.62) v1(151.96,59.62) v1(151.96,58.62) v1(151.96,57.62) v1(152.96,62.62) v1(152.96,61.62) v1(152.96,60.62) v1(152.96,59.62) v1(152.96,58.62) v1(152.96,57.62) v1(153.96,62.62) v1(153.96,61.62) v1(153.96,60.62) v1(153.96,59.62) v1(153.96,58.62) v1(153.96,57.62) v1(154.96,62.62) v1(154.96,61.62) v1(154.96,60.62) v1(154.96,59.62) v1(154.96,58.62) v1(154.96,57.62) v1(155.96,62.62) v1(155.96,61.62) v1(155.96,60.62) v1(155.96,59.62) v1(155.96,58.62) v1(155.96,57.62) v1(156.96,62.62) v1(156.96,61.62) v1(156.96,60.62) v1(156.96,59.62) v1(156.96,58.62) v1(156.96,57.62)
